# Altium PCB STM32_Serial_Ethernet.PcbDoc (part 1 of 2) (continued)
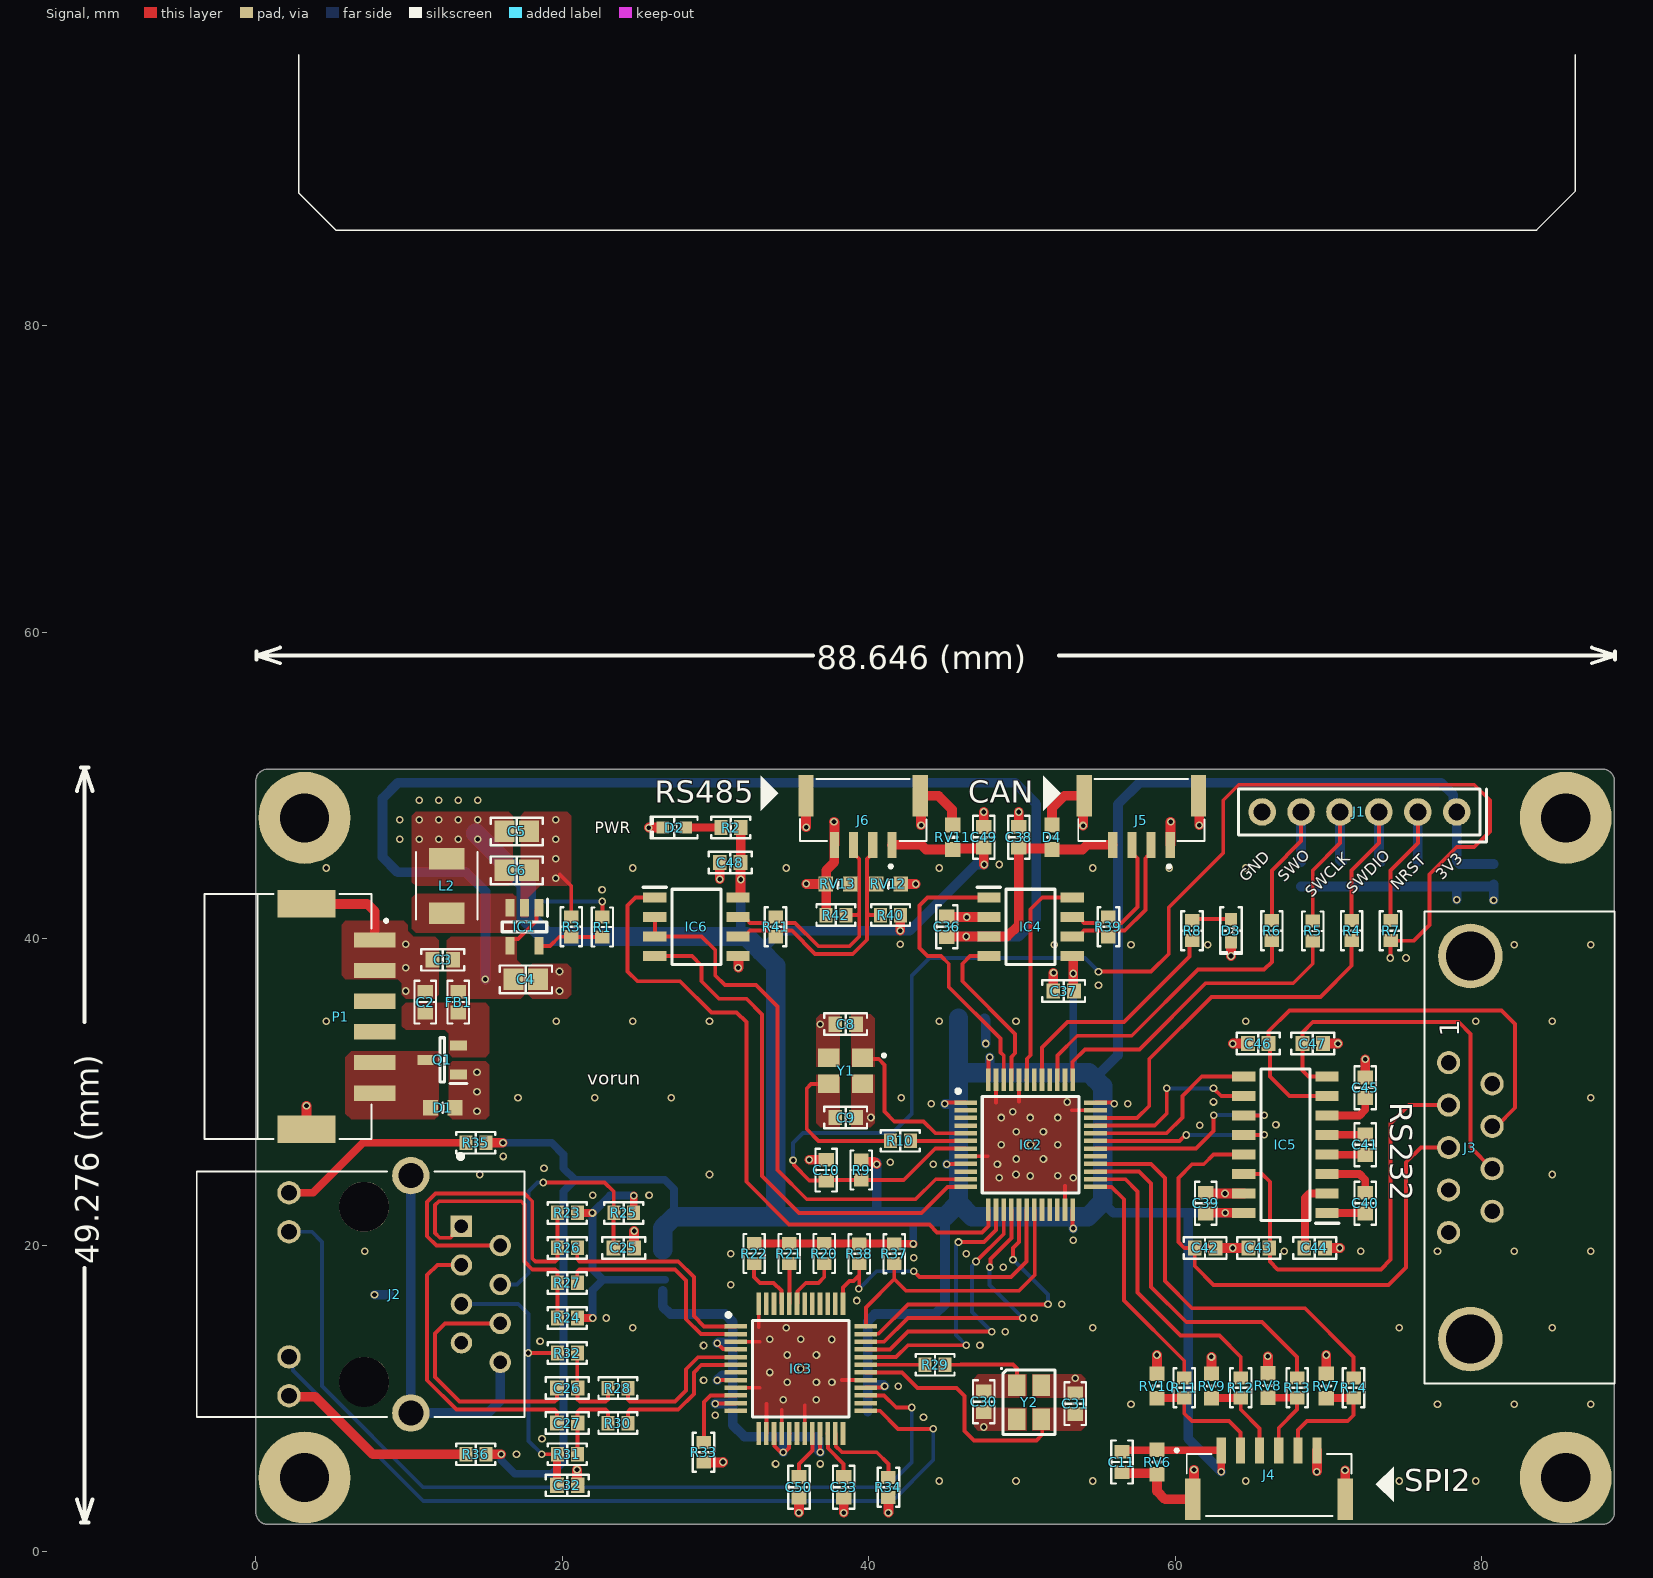
[diagram p0: Signal view]
## Part data (continued)
D1 D4: "TVS Diode (Bi-directional)", Manufacturer_Name=Bourns, Datasheet Link=https://datasheet.datasheetarchive.com/originals/dk/DKDS-12/224862.pdf, Height=0.55mm, Manufacturer_Part_Number=CG0603MLC-05EA
D2: library part LTST-C193KRKT-2A, "LED RED CLEAR CHIP SMD", Current - Test=2mA, Device Package="0603 (1608 Metric)", Lens Color=Colorless, manufacturer="Lite-On Inc.", Millicandela Rating=6.5mcd, Supplier Device Package="Chip LED", Supplier Part Number 1=160-1909-1-ND, Voltage - Forward (Vf) (Typ)=1.9V, Color=Red, componentlink1description=Datasheet, componentlink1url=//media.digikey.com/pdf/Data%20Sheets/Lite-On%20PDFs/LTST-C193KRKT-2A.pdf, componentlink2description="DigiKey Link", componentlink2url=http://digikey.com/product-detail/en/lite-on-inc/LTST-C193KRKT-2A/160-1909-1-ND/3694456, Configuration=Standard, Height (Max)=0.35mm, lastupdated="3/3/2023 08:56:33 PM", Lens Size="1.15mm x 0.80mm", Lens Style="Rectangle with Flat Top", Lens Transparency=Clear, Lifecycle Status=Active, Minimum Order=1, Mounting Type="Surface Mount", Package / Case="0603 (1608 Metric)", packaging=TapeAndReel, Part Number=LTST-C193KRKT-2A, Part Status=Active, partid=382, price=0.07, series=-, Size / Dimension="1.60mm L x 0.80mm W", Supplier 1=DigiKey, Viewing Angle=130°, Wavelength - Dominant=629nm, Wavelength - Peak=639nm
D3: library part LSM0603453V, "LED SM 0603 3V -/1000/-MCD GREEN", Current - Test=20mA, Device Package="0603 (1608 Metric)", Lens Color=Colorless, manufacturer="Visual Communications Company - VCC", Millicandela Rating=63mcd, Supplier Device Package="Chip LED", Supplier Part Number 1=LSM0603453VCT-ND, Voltage - Forward (Vf) (Typ)=2V, Color=Green, componentlink1description=Datasheet, componentlink1url=https://vcclite.com/wp-content/uploads/wpallimport/files/files/LSM0603453V.pdf, componentlink2description="DigiKey Link", componentlink2url=https://www.digikey.com/en/products/detail/visual-communications-company-vcc/LSM0603453V/9486724, Configuration=Standard, Height (Max)=0.65mm, lastupdated="3/3/2023 08:56:02 PM", Lens Size="1.20mm x 0.80mm", Lens Style="Rectangle with Flat Top", Lens Transparency=Clear, Lifecycle Status=Active, Minimum Order=1, Mounting Type="Surface Mount", Package / Case="0603 (1608 Metric)", packaging=TapeAndReel, Part Number=LSM0603453V, Part Status=Active, partid=579, price=0.08, series=LSM0603, Size / Dimension="1.60mm L x 0.80mm W", Supplier 1=DigiKey, Viewing Angle=120°, Wavelength - Dominant=572nm, Wavelength - Peak=571nm
FB1 FB2: library part 742792625, "FERRITE BEAD 120 OHM 0603 1LN", Current Rating (Max)=2A, DC Resistance (DCR) (Max)=50mOhm, Device Package="0603 (1608 Metric)", manufacturer="Würth Elektronik", Operating Temperature="-55°C ~ 125°C", Ratings=AEC-Q200, Supplier Part Number 1=732-4665-1-ND, componentlink1description=Datasheet, componentlink1url=https://katalog.we-online.de/pbs/datasheet/742792625.pdf, componentlink2description="DigiKey Link", componentlink2url=https://www.digikey.com/en/products/detail/würth-elektronik/742792625/4310426, Filter Type="Signal Line", Height (Max)="0.039\" (1.00mm)", Impedance @ Frequency="120 Ohms @ 100 MHz", lastupdated="3/3/2023 08:50:24 PM", Lifecycle Status=Active, Minimum Order=1, Mounting Type="Surface Mount", Number of Lines=1, Package / Case="0603 (1608 Metric)", packaging=TapeAndReel, Part Number=742792625, Part Status=Active, partid=1102, price=0.10, series=WE-CBF, Size / Dimension="0.063\" L x 0.032\" W (1.60mm x 0.80mm)", Supplier 1=DigiKey
IC1: "Integrated Circuit", Manufacturer_Name="Texas Instruments", Mouser Part Number=595-TLV62569DBVR, Arrow Part Number=TLV62569DBVR, Arrow Price/Stock=https://www.arrow.com/en/products/tlv62569dbvr/texas-instruments?region=nac, Datasheet Link=http://www.ti.com/lit/gpn/tlv62569, Height=1.45mm, Manufacturer_Part_Number=TLV62569DBVR, Mouser Price/Stock=https://www.mouser.co.uk/ProductDetail/Texas-Instruments/TLV62569DBVR?qs=0C8XhJW8e4oaylc%252BzBrCmA%3D%3D
IC2: "Integrated Circuit", Manufacturer_Name=STMicroelectronics, Manufacturer_Part_Number=stm32f103c8t6, Mouser Part Number=511-STM32F103C8T6, Arrow Part Number=STM32F103C8T6, Arrow Price/Stock=https://www.arrow.com/en/products/stm32f103c8t6/stmicroelectronics?region=nac, Datasheet Link=https://www.st.com/resource/en/datasheet/stm32f103c8.pdf, Height=1.6mm, Mouser Price/Stock=https://www.mouser.co.uk/ProductDetail/STMicroelectronics/STM32F103C8T6?qs=bhCVus9SdFtq6kqxsU5%2FDA%3D%3D
IC3: "Integrated Circuit", Manufacturer_Name="WIZnet Inc", Mouser Part Number=950-W5500, Datasheet Link=http://wizwiki.net/wiki/lib/exe/fetch.php?media=products:w5500:w5500_ds_v106e_141230.pdf, Height=1.6mm, Manufacturer_Part_Number=W5500, Mouser Price/Stock=https://www.mouser.co.uk/ProductDetail/WIZnet/W5500?qs=2vh%252B45pPFtzthUpYPd4pqA%3D%3D
IC4: "Integrated Circuit", Arrow Part Number=TJA1051T/3/CM,118, Manufacturer_Name=NXP, Mouser Part Number=771-TJA1051T/3CM118, Arrow Price/Stock=https://www.arrow.com/en/products/tja1051t3cm118/nxp-semiconductors?region=nac, Datasheet Link=http://www.nxp.com/docs/en/data-sheet/TJA1051.pdf, Height=1.75mm, Manufacturer_Part_Number=TJA1051T/3/CM,118, Mouser Price/Stock=https://www.mouser.co.uk/ProductDetail/NXP-Semiconductors/TJA1051T-3-CM118?qs=5XOdhvmYM0NUkmo%252BpXvJfw%3D%3D
IC5: "Integrated Circuit", Manufacturer_Name="Texas Instruments", Mouser Part Number=595-MAX3232ECD, Arrow Part Number=MAX3232ECD, Arrow Price/Stock=https://www.arrow.com/en/products/max3232ecd/texas-instruments?region=nac, Datasheet Link=http://www.ti.com/lit/gpn/max3232e, Height=1.75mm, Manufacturer_Part_Number=MAX3232ECD, Mouser Price/Stock=https://www.mouser.co.uk/ProductDetail/Texas-Instruments/MAX3232ECD?qs=paYhMW8qfisAgX9h7jy%2FVw%3D%3D
IC6: "Integrated Circuit", Arrow Part Number=SP3494CN-L/TR, Manufacturer_Name=MaxLinear, Mouser Part Number=701-SP3494CN-L/TR, Arrow Price/Stock=https://www.arrow.com/en/products/sp3494cn-ltr/maxlinear-inc?region=nac, Datasheet Link=https://www.arrow.com/en/products/sp3494cn-ltr/maxlinear-inc?region=nac, Height=1.75mm, Manufacturer_Part_Number=SP3494CN-L/TR, Mouser Price/Stock=https://www.mouser.co.uk/ProductDetail/MaxLinear/SP3494CN-L-TR?qs=3EMgrMjM0faUFCPV%252BPTaUQ%3D%3D
J1: "Pin Header 6 Position 2.54mm Pitch", manufacturer=Amphenol, Manufacturer Part Number=G800W302018EU
J2: "DIP RJ45 Connector;", Package=None, Availability=Unavailable, MP=HR911105A, price=None
J3: "9 Position D-Sub Receptacle, Female Sockets Connector", Package=None, Availability="In Stock", Check_prices=https://www.snapeda.com/parts/618009211821/Wurth+Elektronik/view-part/?ref=eda, MF="WÃ¼rth Elektronik", MP=618009211821, price=None, Purchase-URL=https://pricing.snapeda.com/search/part/618009211821/?ref=eda, SnapEDA_Link=https://www.snapeda.com/parts/618009211821/Wurth+Elektronik/view-part/?ref=snap
J4: "ÐŸÐ¾Ð²ÐµÑ€Ñ…Ð½Ð¾ÑÑ‚Ð½Ñ‹Ð¹ Ð¼Ð¾Ð½Ñ‚Ð°Ð¶ Ñ€Ð°Ð·ÑŠÐµÐ¼Ð°, Ð¿Ñ€ÑÐ¼Ð¾Ð¹ ÑƒÐ³Ð¾Ð» 6, Ð¿Ð¾Ð»Ð¾Ð¶ÐµÐ½Ð¸Ðµ 0,049 _1,25 Ð¼Ð¼_", Package=None, Availability=Unavailable, MF="JST Sales", MP=SM06B-GHS-TB_LF__SN_, price=None, SnapEDA_Link=https://www.snapeda.com/parts/SM06B-GHS-TB%28LF%29%28SN%29/JST%20Sales%20America%20Inc./view-part/817690/?ref=snap
J5 J6: "Connector Header Surface Mount, Right Angle 4 position 0.049 _1.25mm_", Package=None, Availability=Unavailable, MF="JST Sales", MP=SM04B-GHS-TB_LF__SN_-, price=None, SnapEDA_Link=https://www.snapeda.com/parts/SM04B-GHS-TB%28LF%29%28SN%29-/JST%20Sales%20America%20Inc./view-part/2759740/?ref=snap
L2: "Power Inductor (SMD), 2.2 uH, Â± 20%, 4.5 A, Shielded, 6 A, 4.4mm x 4mm x 1.8mm", Package=Package, Availability="In Stock", Check_prices=https://www.snapeda.com/parts/AMDLA4020S-2R2MT/Abracon/view-part/?ref=eda, MF="Abracon Corporation", MP=AMDLA4020S-2R2MT, price=None, Purchase-URL=https://pricing.snapeda.com/search/part/AMDLA4020S-2R2MT/?ref=eda, SnapEDA_Link=https://www.snapeda.com/parts/AMDLA4020S-2R2MT/Abracon/view-part/?ref=snap
P1: "2.00mm Pitch CLIK-Mateâ„¢ Wire-to-Board PCB Receptacle, Single Row, Right Angle, 6 Circuits", Package=None, Availability=Unavailable, MP=502494-0670, price=None
Q1: "MOSFET (P-Channel)", Manufacturer_Name="Diodes Inc.", Mouser Part Number=621-DMP2045U-7, Arrow Part Number=DMP2045U-7, Arrow Price/Stock=https://www.arrow.com/en/products/dmp2045u-7/diodes-incorporated?region=nac, Datasheet Link=https://www.diodes.com/assets/Datasheets/DMP2045U.pdf, Height=1.1mm, Manufacturer_Part_Number=DMP2045U-7, Mouser Price/Stock=https://www.mouser.co.uk/ProductDetail/Diodes-Incorporated/DMP2045U-7?qs=rrS6PyfT74erdUwo5CgHTg%3D%3D
R1: library part SDR03EZPF4533, "RES SMD 453 KOHM 1% 0.3W 0603", Device Package="0603 (1608 Metric)", manufacturer="Rohm Semiconductor", Operating Temperature="-55°C ~ 155°C", Power (Watts)=0.3W, Supplier Device Package=0603, Supplier Part Number 1=511-1720-1-ND, Temperature Coefficient=±100ppm/°C, Tolerance=±1%, componentlink1description=Datasheet, componentlink1url=https://www.rohm.com/datasheet/SDR03EZPF/sdr-e, componentlink2description="DigiKey Link", componentlink2url=https://www.digikey.com/en/products/detail/rohm-semiconductor/SDR03EZPF4533/9674970, Composition="Thick Film", Features="Pulse Withstanding", Height - Seated (Max)="0.022\" (0.55mm)", lastupdated="3/3/2023 08:29:48 PM", Lifecycle Status=Active, Minimum Order=1, Number of Terminations=2, Package / Case="0603 (1608 Metric)", packaging=TapeAndReel, Part Number=SDR03EZPF4533, Part Status=Active, partid=5359, price=0.02, Resistance="453 kOhms", series=SDR03, Size / Dimension="0.063\" L x 0.031\" W (1.60mm x 0.80mm)", Supplier 1=DigiKey
R2 R8 R35 R36: library part RMCF0603JT510R, "RES 510 OHM 5% 1/10W 0603", Device Package="0603 (1608 Metric)", manufacturer="Stackpole Electronics Inc", Operating Temperature="-55°C ~ 155°C", Power (Watts)="0.1W, 1/10W", Ratings=AEC-Q200, Supplier Device Package=0603, Supplier Part Number 1=RMCF0603JT510RCT-ND, Temperature Coefficient=±200ppm/°C, Tolerance=±5%, componentlink1description=Datasheet, componentlink1url=https://www.seielect.com/catalog/sei-rmcf_rmcp.pdf, componentlink2description="DigiKey Link", componentlink2url=https://www.digikey.com/en/products/detail/stackpole-electronics-inc/RMCF0603JT510R/1757941, Composition="Thick Film", Features="Automotive AEC-Q200", Height - Seated (Max)="0.022\" (0.55mm)", lastupdated="3/3/2023 08:29:46 PM", Lifecycle Status=Active, Minimum Order=1, Number of Terminations=2, Package / Case="0603 (1608 Metric)", packaging=CutTape, Part Number=RMCF0603JT510R, Part Status=Active, partid=5929, price=0.01, Resistance="510 Ohms", series=RMCF, Size / Dimension="0.061\" L x 0.031\" W (1.55mm x 0.80mm)", Supplier 1=DigiKey
R3: library part RT0603FRE07100KL, "RES SMD 100K OHM 1% 1/10W 0603", Device Package="0603 (1608 Metric)", manufacturer=Yageo, Operating Temperature="-55°C ~ 155°C", Power (Watts)="0.1W, 1/10W", Supplier Device Package=0603, Supplier Part Number 1=YAG2319CT-ND, Temperature Coefficient=±50ppm/°C, Tolerance=±1%, componentlink1description=Datasheet, componentlink1url=https://www.yageo.com/upload/media/product/productsearch/datasheet/rchip/PYu-RT_1-to-0.01_RoHS_L_11.pdf, componentlink2description="DigiKey Link", componentlink2url=https://www.digikey.com/en/products/detail/yageo/RT0603FRE07100KL/1075029, Composition="Thin Film", Height - Seated (Max)="0.022\" (0.55mm)", lastupdated="3/3/2023 08:29:47 PM", Lifecycle Status=Active, Minimum Order=1, Number of Terminations=2, Package / Case="0603 (1608 Metric)", packaging=TapeAndReel, Part Number=RT0603FRE07100KL, Part Status=Active, partid=5677, price=0.01, Resistance="100 kOhms", series=RT, Size / Dimension="0.063\" L x 0.031\" W (1.60mm x 0.80mm)", Supplier 1=DigiKey
R4 R5 R6 R7 R10 R11 R12 R13 R14 R26 R27 R28 R29 R30: library part RMCF0603JT33R0, "RES 33 OHM 5% 1/10W 0603", Device Package="0603 (1608 Metric)", manufacturer="Stackpole Electronics Inc", Operating Temperature="-55°C ~ 155°C", Power (Watts)="0.1W, 1/10W", Ratings=AEC-Q200, Supplier Device Package=0603, Supplier Part Number 1=RMCF0603JT33R0CT-ND, Temperature Coefficient=±200ppm/°C, Tolerance=±5%, componentlink1description=Datasheet, componentlink1url=https://www.seielect.com/catalog/sei-rmcf_rmcp.pdf, componentlink2description="DigiKey Link", componentlink2url=https://www.digikey.com/en/products/detail/stackpole-electronics-inc/RMCF0603JT33R0/1758048, Composition="Thick Film", Features="Automotive AEC-Q200", Height - Seated (Max)="0.022\" (0.55mm)", lastupdated="3/3/2023 08:29:46 PM", Lifecycle Status=Active, Minimum Order=1, Number of Terminations=2, Package / Case="0603 (1608 Metric)", packaging=CutTape, Part Number=RMCF0603JT33R0, Part Status=Active, partid=5849, price=0.01, Resistance="33 Ohms", series=RMCF, Size / Dimension="0.061\" L x 0.031\" W (1.55mm x 0.80mm)", Supplier 1=DigiKey
R9 R20 R21 R22 R34 R37 R38: library part CRCW060310K0JNEA, "RES SMD 10K OHM 5% 1/10W 0603", Device Package="0603 (1608 Metric)", manufacturer="Vishay Dale", Operating Temperature="-55°C ~ 155°C", Power (Watts)="0.1W, 1/10W", Ratings=AEC-Q200, Supplier Device Package=0603, Supplier Part Number 1=541-10KGCT-ND, Temperature Coefficient=±200ppm/°C, Tolerance=±5%, componentlink1description=Datasheet, componentlink1url=http://www.vishay.com/docs/20035/dcrcwe3.pdf, componentlink2description="DigiKey Link", componentlink2url=http://digikey.com/product-detail/en/vishay-dale/CRCW060310K0JNEA/541-10KGCT-ND/1179393, Composition="Thick Film", Features="Automotive AEC-Q200", Height - Seated (Max)="0.020\" (0.50mm)", lastupdated="3/3/2023 08:29:48 PM", Lifecycle Status=Active, Minimum Order=1, Number of Terminations=2, Package / Case="0603 (1608 Metric)", packaging=CutTape, Part Number=CRCW060310K0JNEA, Part Status=Active, partid=5216, price=0.10, Resistance="10 kOhms", series=CRCW, Size / Dimension="0.063\" L x 0.033\" W (1.60mm x 0.85mm)", Supplier 1=DigiKey
R23 R24 R31 R32: library part ERJ-3EKF49R9V, "RES SMD 49.9 OHM 1% 1/10W 0603", Device Package="0603 (1608 Metric)", manufacturer="Panasonic Electronic Components", Operating Temperature="-55°C ~ 155°C", Power (Watts)="0.1W, 1/10W", Ratings=AEC-Q200, Supplier Device Package=0603, Supplier Part Number 1=P49.9HCT-ND, Temperature Coefficient=±100ppm/°C, Tolerance=±1%, componentlink1description=Datasheet, componentlink1url=https://industrial.panasonic.com/cdbs/www-data/pdf/RDA0000/AOA0000C304.pdf, componentlink2description="DigiKey Link", componentlink2url=https://www.digikey.com/en/products/detail/panasonic-electronic-components/ERJ-3EKF49R9V/196378, Composition="Thick Film", Features="Automotive AEC-Q200", Height - Seated (Max)="0.022\" (0.55mm)", lastupdated="3/3/2023 08:29:47 PM", Lifecycle Status=Active, Minimum Order=1, Number of Terminations=2, Package / Case="0603 (1608 Metric)", packaging=TapeAndReel, Part Number=ERJ-3EKF49R9V, Part Status=Active, partid=5641, price=0.01, Resistance="49.9 Ohms", series=ERJ-3EK, Size / Dimension="0.063\" L x 0.031\" W (1.60mm x 0.80mm)", Supplier 1=DigiKey
R25: library part ERJ-3EKF10R0V, "RES SMD 10 OHM 1% 1/10W 0603", Device Package="0603 (1608 Metric)", manufacturer="Panasonic Electronic Components", Operating Temperature="-55°C ~ 155°C", Power (Watts)="0.1W, 1/10W", Ratings=AEC-Q200, Supplier Device Package=0603, Supplier Part Number 1=P10.0HCT-ND, Temperature Coefficient=±100ppm/°C, Tolerance=±1%, componentlink1description=Datasheet, componentlink1url=https://industrial.panasonic.com/cdbs/www-data/pdf/RDA0000/AOA0000C304.pdf, componentlink2description="DigiKey Link", componentlink2url=https://www.digikey.com/en/products/detail/panasonic-electronic-components/ERJ-3EKF10R0V/196065, Composition="Thick Film", Features="Automotive AEC-Q200", Height - Seated (Max)="0.022\" (0.55mm)", lastupdated="3/3/2023 08:29:47 PM", Lifecycle Status=Active, Minimum Order=1, Number of Terminations=2, Package / Case="0603 (1608 Metric)", packaging=TapeAndReel, Part Number=ERJ-3EKF10R0V, Part Status=Active, partid=5647, price=0.01, Resistance="10 Ohms", series=ERJ-3EK, Size / Dimension="0.063\" L x 0.031\" W (1.60mm x 0.80mm)", Supplier 1=DigiKey
R33: library part RNCP0603FTD12K4, "RES 12.4K OHM 1% 1/8W 0603", Device Package="0603 (1608 Metric)", manufacturer="Stackpole Electronics Inc", Operating Temperature="-55°C ~ 155°C", Power (Watts)="0.125W, 1/8W", Supplier Device Package=0603, Supplier Part Number 1=RNCP0603FTD12K4CT-ND, Temperature Coefficient=±100ppm/°C, Tolerance=±1%, componentlink1description=Datasheet, componentlink1url=https://www.seielect.com/catalog/sei-rncp.pdf, componentlink2description="DigiKey Link", componentlink2url=https://www.digikey.com/en/products/detail/stackpole-electronics-inc/RNCP0603FTD12K4/2240143, Composition="Thin Film", Features=Anti-Sulfur, Height - Seated (Max)="0.022\" (0.55mm)", lastupdated="3/3/2023 08:29:47 PM", Lifecycle Status=Active, Minimum Order=1, Number of Terminations=2, Package / Case="0603 (1608 Metric)", packaging=TapeAndReel, Part Number=RNCP0603FTD12K4, Part Status=Active, partid=5715, price=0.01, Resistance="12.4 kOhms", series=RNCP, Size / Dimension="0.061\" L x 0.031\" W (1.55mm x 0.80mm)", Supplier 1=DigiKey
R39 R41: library part CRCW0603120RJNEA, "RES SMD 120 OHM 5% 1/10W 0603", Device Package="0603 (1608 Metric)", manufacturer="Vishay Dale", Operating Temperature="-55°C ~ 155°C", Power (Watts)="0.1W, 1/10W", Ratings=AEC-Q200, Supplier Device Package=0603, Supplier Part Number 1=541-120GCT-ND, Temperature Coefficient=±200ppm/°C, Tolerance=±5%, componentlink1description=Datasheet, componentlink1url=http://www.vishay.com/docs/20035/dcrcwe3.pdf, componentlink2description="DigiKey Link", componentlink2url=https://www.digikey.com/en/products/detail/vishay-dale/CRCW0603120RJNEA/1174207, Composition="Thick Film", Features="Automotive AEC-Q200", Height - Seated (Max)="0.020\" (0.50mm)", lastupdated="3/3/2023 08:29:48 PM", Lifecycle Status=Active, Minimum Order=1, Number of Terminations=2, Package / Case="0603 (1608 Metric)", packaging=CutTape, Part Number=CRCW0603120RJNEA, Part Status=Active, partid=5196, price=0.01, Resistance="120 Ohms", series=CRCW, Size / Dimension="0.063\" L x 0.033\" W (1.60mm x 0.85mm)", Supplier 1=DigiKey
R40 R42: library part CRGP0603F390R, "RES 390 OHM 1% 1/4W 0603", Device Package="0603 (1608 Metric)", manufacturer="TE Connectivity Passive Product", Operating Temperature="-55°C ~ 155°C", Power (Watts)="0.25W, 1/4W", Supplier Device Package=0603, Supplier Part Number 1=A130411CT-ND, Temperature Coefficient=±100ppm/°C, Tolerance=±1%, componentlink1description=Datasheet, componentlink1url=https://www.te.com/commerce/DocumentDelivery/DDEController?Action=srchrtrv&DocNm=9-1773463-9&DocType=DS&DocLang=English, componentlink2description="DigiKey Link", componentlink2url=https://www.digikey.com/en/products/detail/te-connectivity-passive-product/CRGP0603F390R/8577013, Composition="Thick Film", Features="Pulse Withstanding", Height - Seated (Max)="0.022\" (0.55mm)", lastupdated="3/3/2023 08:29:49 PM", Lifecycle Status=Active, Minimum Order=1, Number of Terminations=2, Package / Case="0603 (1608 Metric)", packaging=TapeAndReel, Part Number=CRGP0603F390R, Part Status=Active, partid=5035, price=0.02, Resistance="390 Ohms", series=CRGP, Size / Dimension="0.063\" L x 0.031\" W (1.60mm x 0.80mm)", Supplier 1=DigiKey
RV1 RV2 RV3 RV4 RV5 RV6 RV7 RV8 RV9 RV10 RV11 RV12 RV13: "Varistor", Manufacturer_Name=Bourns, Mouser Part Number=652-CG0603MLC-3.3LE, Arrow Part Number=CG0603MLC-3.3LE, Arrow Price/Stock=https://www.arrow.com/en/products/cg0603mlc-3.3le/bourns?region=nac, Datasheet Link=https://www.bourns.com/docs/Product-Datasheets/MLC.pdf, Height=0.55mm, Manufacturer_Part_Number=CG0603MLC-3.3LE, Mouser Price/Stock=https://www.mouser.co.uk/ProductDetail/Bourns/CG0603MLC-3.3LE?qs=m8myXnDJXpXlL5%252BDNWWe1g%3D%3D
Y1: "Crystal or Oscillator", Manufacturer_Name="Yangxing Tech", Datasheet Link=https://datasheet.lcsc.com/szlcsc/Yangxing-Tech-X322516MLB4SI_C13738.pdf, Height=0.8mm, Manufacturer_Part_Number=X322516MLB4SI
Y2: library part "TSX-3225 25.0000MF10P-C0", "CRYSTAL 25.0000MHZ 18PF SMD", ESR (Equivalent Series Resistance)="40 Ohms", Frequency Stability=±10ppm, Load Capacitance=18pF, manufacturer=EPSON, Operating Mode=Fundamental, Operating Temperature="-20°C ~ 85°C", Package / Case="4-SMD, No Lead", Supplier Part Number 1=SER4211CT-ND, componentlink1description=Datasheet, componentlink1url=https://support.epson.biz/td/api/doc_check.php?dl=brief_TSX-3225&lang=en, componentlink2description="DigiKey Link", componentlink2url=https://www.digikey.com/en/products/detail/epson/TSX-3225-25-0000MF10P-C0/7430946, Frequency="25 MHz", Frequency Tolerance=±10ppm, Height - Seated (Max)="0.024\" (0.60mm)", lastupdated="3/3/2023 08:58:01 PM", Lifecycle Status=Active, Minimum Order=1, Mounting Type="Surface Mount", packaging=TapeAndReel, Part Number="TSX-3225 25.0000MF10P-C0", Part Status=Active, partid=450, price=0.20, series=TSX-3225, Size / Dimension="0.126\" L x 0.098\" W (3.20mm x 2.50mm)", Supplier 1=DigiKey, Type="MHz Crystal"

## Free pads (board coordinates)
  round 6 hole 3.2: 12(3.175,4.826) 12(3.175,47.879) 12(85.471,4.826) 12(85.471,47.879)

## Via types
v1: diameter 0.5, hole 0.3, Signal to Signal/PWR, tented both sides, 240 vias

## Nets (pads, with @x,y where several pads share a name; then routed paths per layer and width w, separated by ;. In a path a pad name is that pad's centre, name@x,y a point inside that pad or via, vN(x,y) a via of type N, cw(c..) or ccw(c..) an arc to the next point about the centre after c; other vN are vias at no path point)
1V2: C33.2 IC3.22 | length 3.3
  Signal w0.254: IC3.22@37.31,7.7 37.333,7.677 37.333,6.736 38.354,5.715 C33.2@38.354,4.866
3V3: C1.2 C5.2 C6.2 C7.1 C11.2 C12.2 C13.1 C14.1 C15.1 C16.1 C17.1 C18.1 C29.1 C37.2 C39.2 C48.1 C49.2 FB2.1 IC2.1 IC2.9 IC2.24 IC2.36 IC2.48 IC3.28 IC4.5 IC5.16 IC6.8 J1.1 J4.1 J6.1 L2.2 R1.2 R2.2 R9.1 R20.2 R21.2 R22.2 R35.2 R36.2 R37.1 R38.2 R40.2 RV1.2 RV6.2 RV11.2 | length 320.6
  Signal w0.254: R1.2@22.606,41.402 v1(22.606,42.418) ; IC3.28@39.798,10.688 39.821,10.711 40.87,10.711 40.954,10.795 v1(41.021,10.795) ; v1(44.958,29.21) 45.025,29.21 45.108,29.293 IC2.1@46.308,29.293 ; v1@45.085,25.273 45.105,25.293 IC2.9@46.308,25.293 ; IC2.48@47.796,30.781 47.796,32.108 47.879,32.191 v1(47.879,32.258) ; v1@53.296,21.126 IC2.24@53.296,22.305 ; IC2.36@54.784,29.293 55.857,29.293 55.94,29.21 v1(56.007,29.21)
  Signal w0.508: IC6.8@31.459,42.672 31.552,42.672 IC6.8@31.623,42.743 ; R22.2@32.512,20.096 R21.2@34.798,20.096 R20.2@37.084,20.096 41.641,20.096 R37.1@41.656,20.081 42.911,20.081 v1@42.926,20.066 ; C11.2@56.515,6.517 56.602,6.604 J4.1@62.992,6.604 v1(62.992,5.207)
  Signal w0.635: R36.2@15.001,6.35 v1@16.002,6.35 ; R35.2@15.113,26.67 v1@16.114,26.67 ; IC6.8@31.623,42.743 C48.1@31.623,44.958 31.631,44.966 31.631,47.237 R2.2@31.638,47.244 ; R9.1@39.497,25.542 39.605,25.435 40.351,25.435 v1(40.513,25.273) ; J6.1@41.499,46.112 43.423,46.112 43.726,45.809 RV11.2@45.466,45.809 45.528,45.871 47.435,45.871 C49.2@47.498,45.934 v1@47.498,44.831 ; v1(42.037,40.513) 42.037,41.499 R40.2@42.067,41.529 ; IC4.5@53.258,38.862 53.332,38.862 53.34,38.854 v1(53.34,37.719) C37.2@53.34,36.616 ; C39.2@62.016,22.098 v1(63.246,22.098) IC5.16@64.471,22.098
  Signal/PWR w0.254: 17.653,42.291 17.78,42.418 v1(22.606,42.418)
  Signal/PWR w0.508: v1(16.013,6.354) 16.013,5.958 16.891,5.08 19.304,5.08 20.066,5.842 20.066,23.495 20.828,24.257 ; v1@16.129,26.67 17.787,26.67 17.791,26.674 19.3,26.674 20.066,25.908 20.066,25.019 20.828,24.257 ; 27.287,21.844 27.287,23.64 26.67,24.257 20.828,24.257 ; v1(42.897,20.072) 42.897,21.815 42.926,21.844 ; 53.34,31.242 v1(53.34,37.719)
  Signal/PWR w0.635: v1(16.125,26.674) v1@16.129,26.67 ; 31.643,40.513 v1(31.643,43.849) ; 32.956,39.179 34.29,40.513 v1(42.037,40.513) 42.672,40.513 46.989,44.83 v1(47.518,44.83) ; C1.2@39.918,9.144 C29.1@39.918,10.999 ; C29.1@39.918,11.049 39.918,15.026 40.386,15.494 44.323,15.494 44.958,16.129 44.958,21.844 ; C29.1@40.051,10.866 40.95,10.866 v1(41.021,10.795) ; 40.513,21.717 40.513,21.844 v1(40.513,25.273) v1@40.513,25.4 ; v1(44.958,29.21) 45.936,29.21 C14.1@46.019,29.293 ; v1(45.08,25.275) 46.099,25.275 C15.1@46.101,25.273 ; v1(47.879,32.258) 47.879,31.369 48.006,31.242 ; v1(53.335,21.084) C16.1@53.335,21.815 ; 54.735,30.859 56.261,32.385 56.261,48.768 57.658,50.165 77.343,50.165 78.136,49.372 78.136,48.483 J1.1@78.359,48.26 ; 55.245,22.802 55.949,22.098 60.833,22.098 ; v1(62.992,5.207) 60.833,7.366 60.833,22.098 ; v1(63.246,22.098) 60.833,22.098 ; J1.1@78.486,48.133 J1.1@78.359,48.26 ; C7.1@80.772,44.871 78.542,44.871 78.359,45.054 J1.1@78.359,48.26
  Signal/PWR w1.27: 14.351,46.863 17.653,43.561 17.653,42.291 17.653,41.402 18.923,40.132 32.004,40.132 32.956,39.179 33.909,38.227 33.909,21.844 ; 26.543,19.685 26.543,21.1 27.287,21.844 33.909,21.844 ; C15.1@45.847,25.103 45.847,22.733 ; C15.1@45.847,25.527 C14.1@45.847,28.832 ; C14.1@45.847,29.465 C12.2@45.847,34.798 ; 46.228,31.242 48.006,31.242 53.34,31.242 54.352,31.242 54.735,30.859 55.245,30.349 55.245,22.802 54.287,21.844 46.736,21.844 45.847,22.733 ; 33.909,21.844 40.513,21.844 42.926,21.844 44.958,21.844 45.847,22.733
  other v1: 10.668,46.482 11.938,46.482 13.208,46.482 14.478,46.482 10.668,47.752 11.938,47.752 13.208,47.752 14.478,47.752
3V3A: C19.1 C20.1 C21.1 C22.1 C23.1 C24.1 FB2.2 IC3.4 IC3.8 IC3.11 IC3.15 IC3.17 IC3.21 R23.2 R24.2 R25.2 | length 49.8
  Signal w0.254: v1(29.972,9.652) 29.99,9.67 31.304,9.67 IC3.11@31.322,9.688 ; v1(30.099,11.176) 30.105,11.182 31.316,11.182 IC3.8@31.322,11.188 ; v1(30.099,13.589) 30.477,13.211 31.299,13.211 IC3.4@31.322,13.188 ; IC3.15@33.81,7.7 33.833,7.677 33.833,6.895 v1@34.204,6.524 ; v1(34.417,6.477) 34.464,6.524 34.562,6.524 34.787,6.749 34.787,7.677 IC3.17@34.81,7.7 ; IC3.21@36.81,7.7 36.82,7.69 36.82,6.487 v1(36.83,6.477)
  Signal w0.508: R24.2@20.97,15.24 v1(21.971,15.24) ; R23.2@20.97,22.098 v1@21.971,22.098 ; R25.2@24.653,22.098 v1(24.653,23.226)
  Signal/PWR w0.508: v1(21.971,15.24) 21.971,17.065 22.646,17.74 ; v1(24.653,23.226) 23.092,23.226 v1(21.96,22.094) 21.96,18.426 22.646,17.74 ; FB2.2@26.71,17.74 22.646,17.74
  Signal/PWR w0.635: 26.543,17.018 26.543,16.002 27.051,15.494 30.607,15.494 31.115,14.986 C20.1@31.115,13.843 ; v1(29.972,9.652) C24.1@31.075,9.652 ; v1(30.099,11.176) 30.424,11.501 30.982,11.501 C23.1@31.115,11.634 ; v1(30.099,13.589) 30.17,13.66 30.982,13.66 31.115,13.793 C23.1@31.115,11.684 C23.1@31.115,11.634 ; v1(34.417,6.477) C22.1@34.417,7.493 ; v1(36.83,6.477) 36.709,6.598 36.709,7.36 C21.1@36.576,7.493 C22.1@34.417,7.493 ; C23.1@31.115,11.634 31.115,8.255 31.877,7.493 C22.1@34.417,7.493
5V: C3.2 C4.2 C36.1 C38.2 D4.2 FB1.2 IC1.1 IC1.4 IC4.3 J5.4 | length 93.3
  Signal w0.254: IC1.4@16.576,39.517 16.683,39.624 16.683,39.899 16.749,39.965 17.105,39.965 18.303,41.163 18.303,41.844 IC1.1@18.476,42.017
  Signal w0.635: C36.1@45.085,40.092 45.125,40.132 v1(46.355,40.132) IC4.3@47.834,40.132 49.022,40.132 49.784,40.894 C38.2@49.784,45.934 49.847,45.871 51.881,45.871 D4.2@51.943,45.809 53.937,45.809 54.24,46.112 J5.4@55.91,46.112
  Signal/PWR w0.635: v1(14.975,37.334) 14.975,43.064 13.716,44.323 9.256,44.323 8.255,45.324 8.255,49.149 9.271,50.165 49.53,50.165 50.927,48.768 50.927,41.275 49.784,40.132 v1(46.355,40.132)